# Altium PCB HAND_MULTILAYER.PcbDoc (part 3 of 3)
Units mm, origin at the board's own origin, x right, y up, seen from the top; angles counter-clockwise.
Board outline 57.4 x 57.5 mm, 4 copper layers (Top Layer, POWER, GND, Bottom Layer), stack 0.778 mm thick; 166 components, 145 nets, 650 pads, 156 vias.
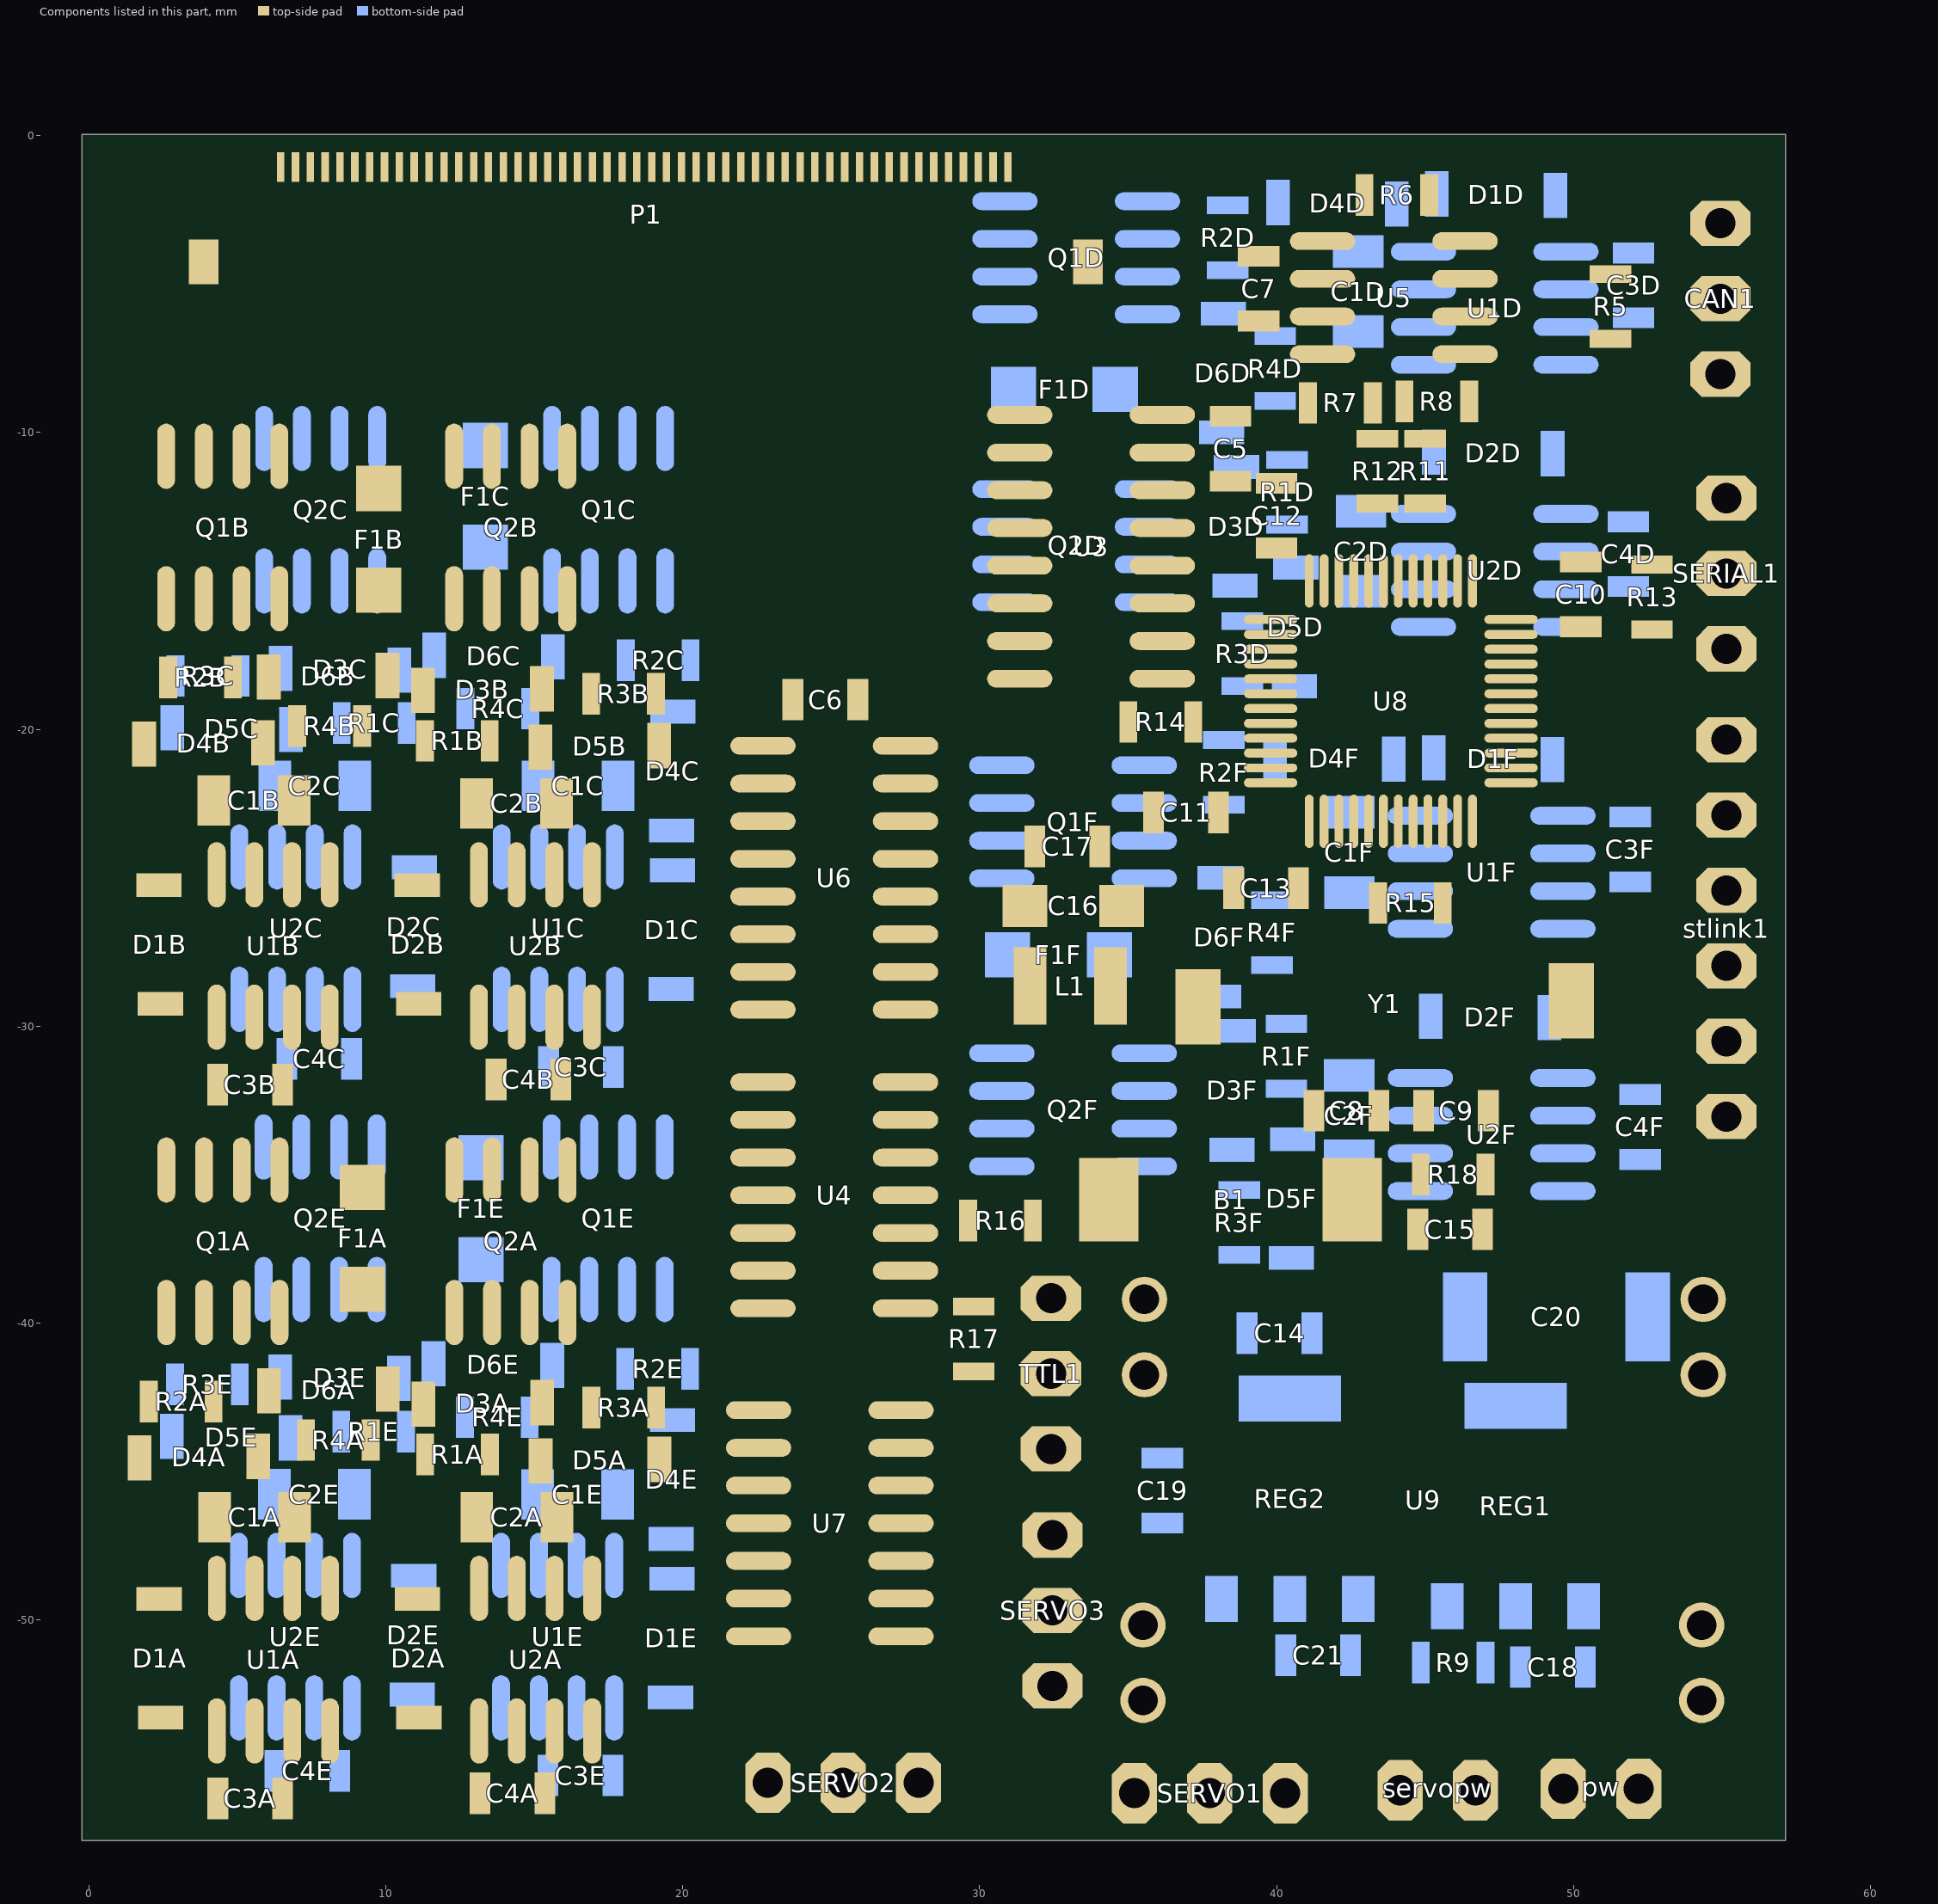
[diagram p5: the components of this part, seen from the top]

## Silkscreen, mask and mechanical layers (free items; w line width, h text height)
Top Overlay:
  lines w0.254: 0.05,1.696 0.05,2.204 ; 1.574,1.442 0.05,1.95 ; 1.574,2.458 0.05,1.95 ; 22.25,1.95 0.05,1.95 ; 35.251,1.95 57.45,1.95 ; 55.926,1.442 57.45,1.95 ; 55.926,2.458 57.45,1.95 ; 57.45,1.696 57.45,2.204 ; 59.642,-55.976 60.15,-57.5 ; 59.642,-1.524 60.15,0 ; 59.896,-57.5 60.404,-57.5 ; 59.896,0 60.404,0 ; 60.15,-35.251 60.15,-57.5 ; 60.15,-22.25 60.15,0 ; 60.658,-55.976 60.15,-57.5 ; 60.658,-1.524 60.15,0
  text "57.4 (mm)" at 22.504,1.036 h1.52
  text "57.5 (mm)" at 61.064,-34.997 h1.52 r90